# Altium PCB Motor_Driver_3_Phase.PcbDoc (part 1 of 3) (continued)
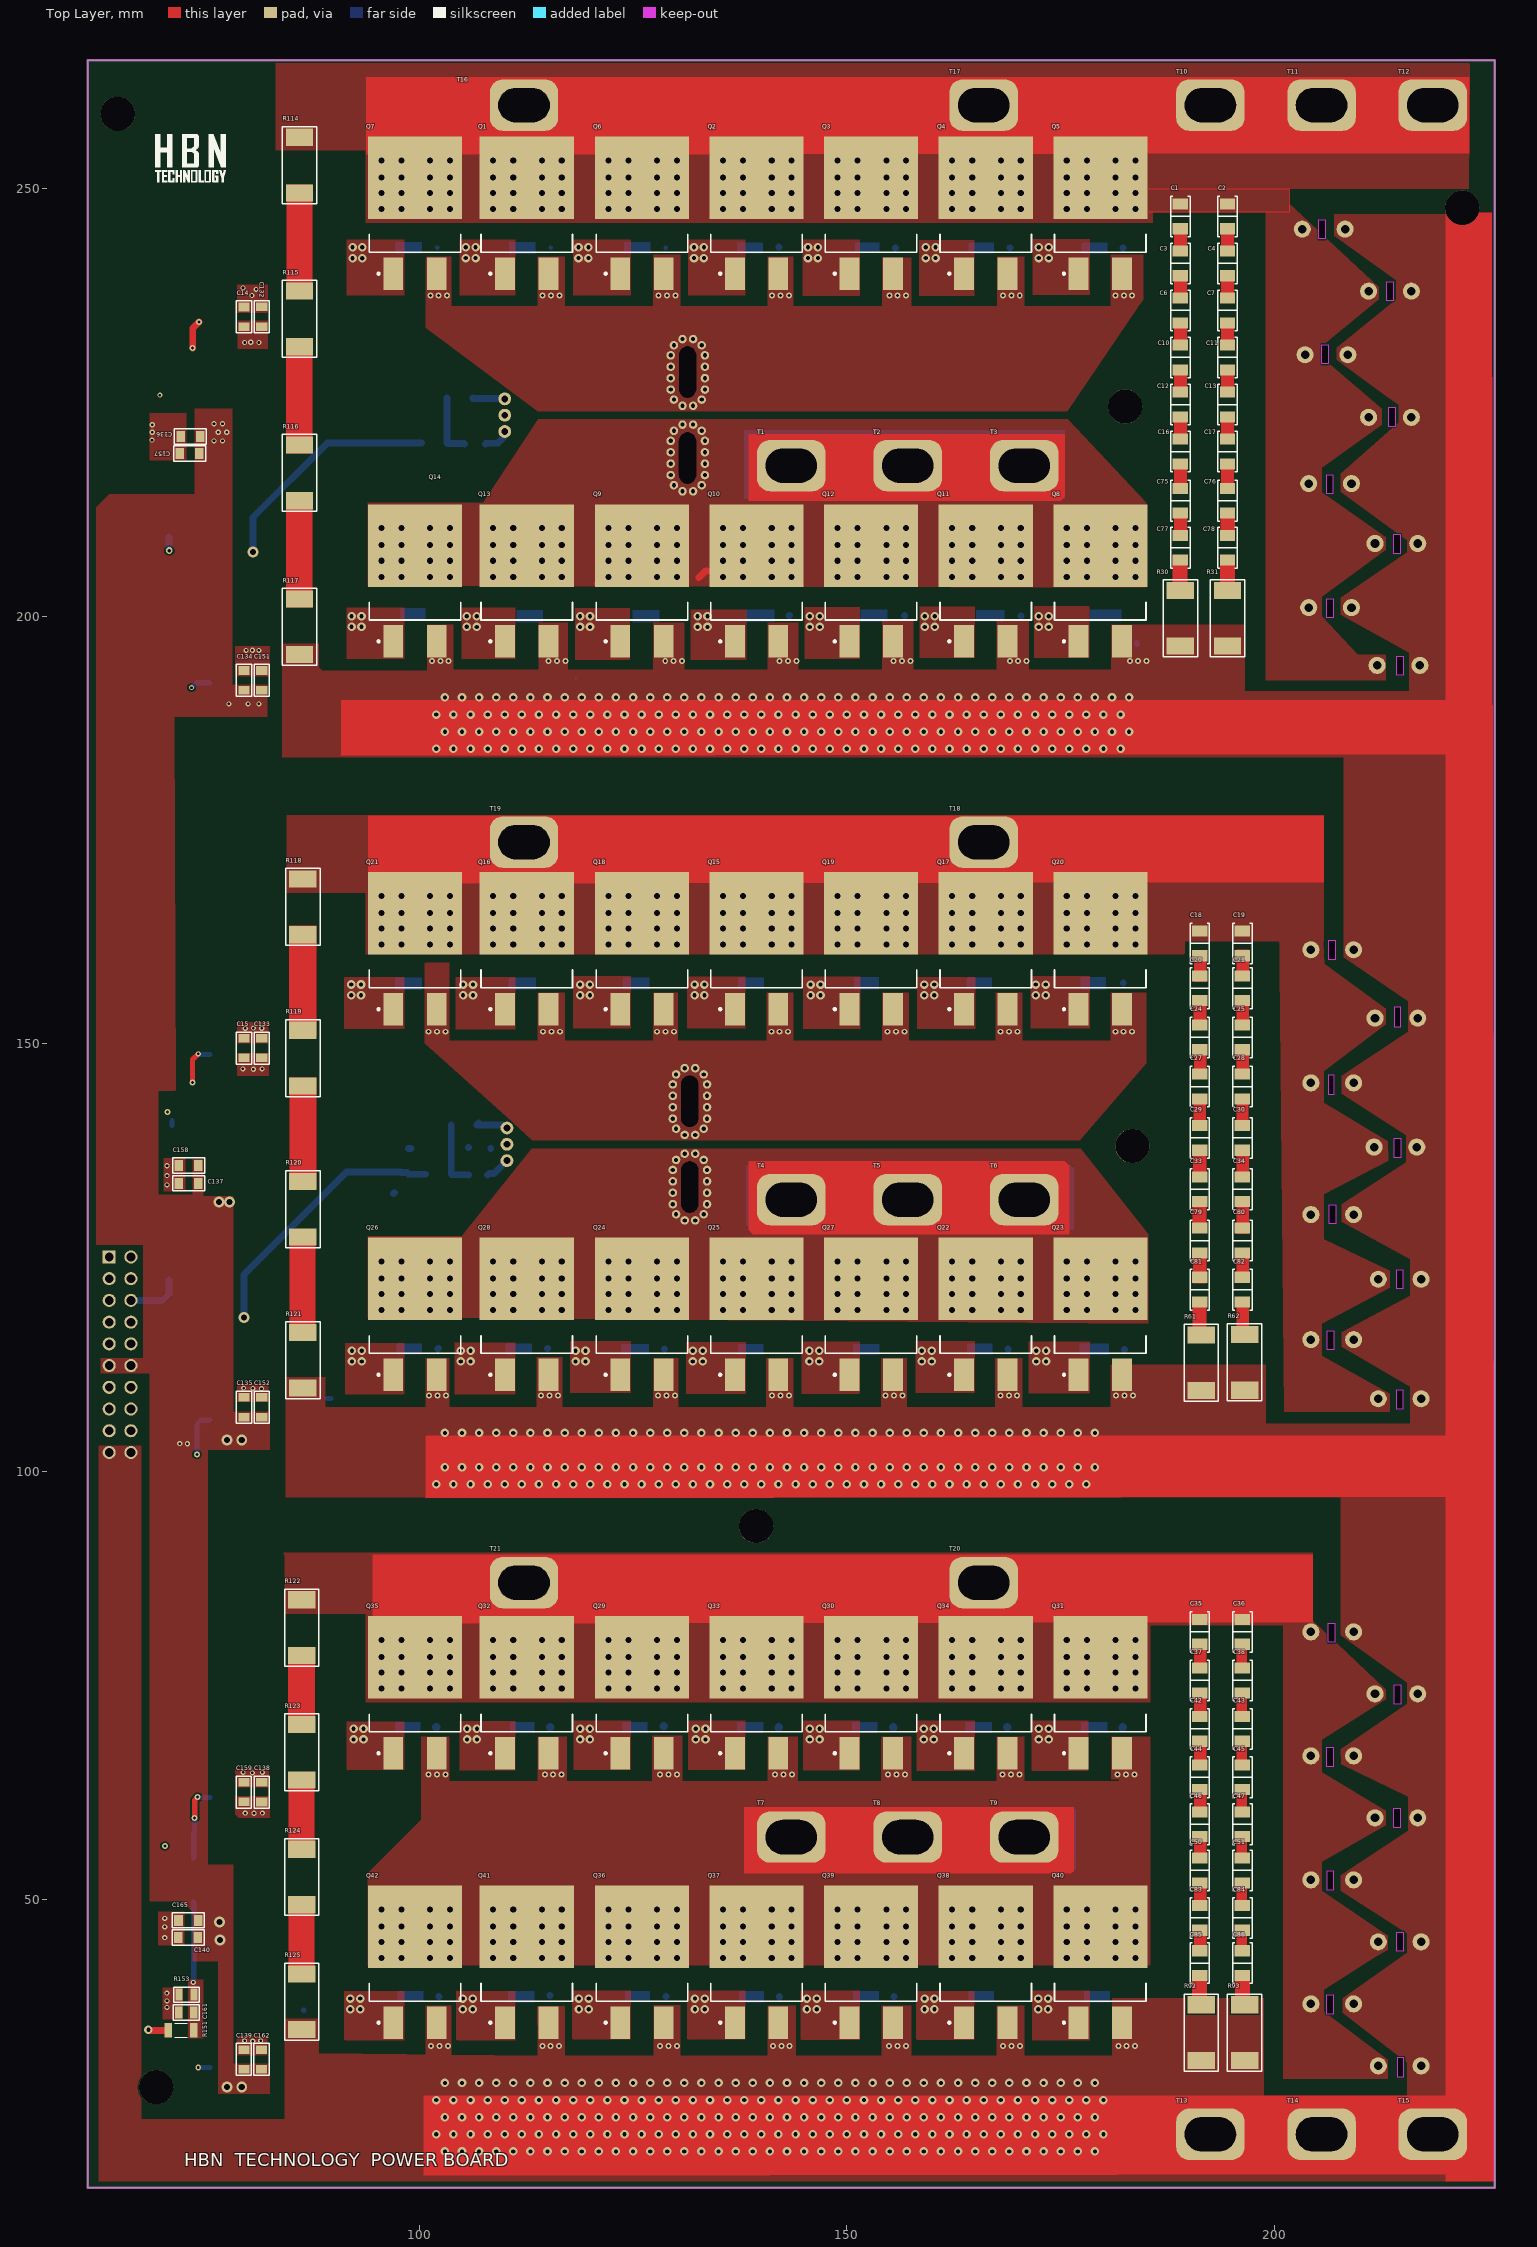
[diagram p0: Top Layer view]
## Design rules (kind name [scope] priority, off if disabled: settings)
Clearance [All] p1: gap=0.2 ignorepadtopadclearanceinfootprint=FALSE except(0: Arc-Hole Track-Hole SMDPad-Hole THPad-Hole Via-Hole Fill-Hole Poly-Hole Region-Hole Text-Hole)
PolygonConnect [All] p1: connectstyle=Direct reliefconductorwidth=0.254 reliefentries=4 polygonreliefangle="90 Angle" airgapwidth=0.254
RoutingVias [All] p1: holewidth=0.711 width=1.27 viastyle="Through Hole" minholewidth=0.711 minwidth=1.27 maxholewidth=0.711 maxwidth=1.27
SolderMaskExpansion [All] p1: expansion=0.102 istentingtop=FALSE
Width [All] p1: maxlimit=10 minlimit=0.2 preferedwidth=0.254 minimp=50.000000 maximp=50.000000 favimp=50.000000
30 further rules are at their usual default settings.

## Classes and differential pairs
component class Parallel_Capacitor: C31 C32 C40 C41 C48 C49 C52 C53 C54 C55 C56 C57 C58 C59 C60 C61 C62 C63 C64 C65 C66 C67 C68 C69
component class Mosfet: C1 C2 C3 C4 C6 C7 C10 C11 C12 C13 C16 C17 C18 C19 C20 C21 C24 C25 C27 C28 C29 C30 C33 C34 C35 C36 C37 C38 C42 C43 C44 C45 C46 C47 C50 C51 C72 C73 C74 C75 C76 C77 C78 C79 C80 C81 C82 C83 C84 C85 C86 C93 C94 C95 C96 C97 C98 C99 C100 C101 C102 C103 C104 C105 C106 C107 C108 C109 C110 C111 C112 C113 C114 C115 C116 C117 C118 C119 C120 C121 C122 C123 C124 C125 C126 C127 C128 C129 C130 C131 D1 D2 D3 D4 D5 D6 D7 D8 D9 D10 D11 D12 D13 D14 D15 D16 D17 D18 D19 D20 D21 D22 D23 D24 D25 D26 D27 D28 D29 D30 D31 D32 D33 D34 D35 D36 D37 D38 D39 D40 D41 D42 Q1 Q2 Q3 Q4 Q5 Q6 Q7 Q8 Q9 Q10 Q11 Q12 Q13 Q14 Q15 Q16 Q17 Q18 Q19 Q20 Q21 Q22 Q23 Q24 Q25 Q26 Q27 Q28 Q29 Q30 Q31 Q32 Q33 Q34 Q35 Q36 Q37 Q38 Q39 Q40 Q41 Q42 R1 R2 R3 R4 R5 R6 R7 R8 R9 R10 R11 R12 R13 R14 R15 R16 R17 R18 R19 R20 R21 R23 R24 R25 R26 R27 R28 R29 R30 R31 R32 R33 R34 R35 R36 R37 R38 R39 R40 R41 R42 R43 R44 R45 R46 R47 R48 R49 R50 R51 R52 R54 R55 R56 R57 R58 R59 R60 R61 R62 R63 R64 R65 R66 R67 R68 R69 R70 R71 R72 R73 R74 R75 R76 R77 R78 R79 R80 R81 R82 R83 R85 R86 R87 R88 R89 R90 R91 R92 R93 R114 R115 R116 R117 R118 R119 R120 R121 R122 R123 R124 R125 R155 R156 R157 R158 R159 R160 R161 R162 R163 R164 R165 R166 R167 R168 R169 R170 R171 R172 R173 R174 R175 R176 R177 R178 R179 R180 R181 R182 R183 R184 R185 R186 R187 R188 R189 R190 R191 R192 R193 R194 R195 R196 T1 T2 T3 T4 T5 T6 T7 T8 T9 T10 T11 T12 T13 T14 T15 T16 T17 T18 T19 T20 T21
component class Gate_Driver: C8 C9 C14 C15 C23 C26 C88 C89 C90 C132 C133 C134 C135 C136 C137 C138 C139 C140 C151 C152 C153 C154 C155 C156 C157 C158 C159 C160 C161 C162 C163 C164 C165 D49 D51 D52 D53 D54 D55 R22 R53 R84 R96 R97 R110 R111 R112 R113 R133 R134 R135 R143 R144 R145 R146 R147 R148 R149 R150 R151 R152 R153 R154 U1 U2 U3 U4 U5 U6 U7 U8 U9
component class Current_Sensor: C70 C71 C141 C142 J2 R94 R95 R126 R127 R128 R129 U10 U11

## Components (designator, comment, footprint, x,y, rotation, side; value= is the part's Value field where it differs from the comment)
C1 "1nF" "CAP 1206_3216 - 1.8MM" 189,246.75 r90 top
C2 "1nF" "CAP 1206_3216 - 1.8MM" 194.5,246.75 r90 top
C3 "1nF" "CAP 1206_3216 - 1.8MM" 189,241.25 r90 top
C4 "1nF" "CAP 1206_3216 - 1.8MM" 194.5,241.25 r90 top
C6 "1nF" "CAP 1206_3216 - 1.8MM" 189,235.75 r90 top
C7 "1nF" "CAP 1206_3216 - 1.8MM" 194.5,235.75 r90 top
C8 "4.7uF" "CAP ALSMD POLY 4.3MM H5.5MM" 69.25,235.5 r90 bottom
C9 "4.7uF" "CAP ALSMD POLY 4.3MM H5.5MM" 69.367,148.75 r90 bottom
C10 "1nF" "CAP 1206_3216 - 1.8MM" 189,230.25 r90 top
C11 "1nF" "CAP 1206_3216 - 1.8MM" 194.5,230.25 r90 top
C12 "1nF" "CAP 1206_3216 - 1.8MM" 189,224.75 r90 top
C13 "1nF" "CAP 1206_3216 - 1.8MM" 194.5,224.75 r90 top
C14 "100nF 50V" C-0805W 79.525,235 r270 top
C15 "100nF 50V" C-0805W 79.525,149.5 r270 top
C16 "1nF" "CAP 1206_3216 - 1.8MM" 189,219.25 r90 top
C17 "1nF" "CAP 1206_3216 - 1.8MM" 194.5,219.25 r90 top
C18 "1nF" "CAP 1206_3216 - 1.8MM" 191.25,161.75 r90 top
C19 "1nF" "CAP 1206_3216 - 1.8MM" 196.25,161.75 r90 top
C20 "1nF" "CAP 1206_3216 - 1.8MM" 191.25,156.5 r90 top
C21 "1nF" "CAP 1206_3216 - 1.8MM" 196.25,156.5 r90 top
C23 "4.7uF" "CAP ALSMD POLY 4.3MM H5.5MM" 69.367,62.5 r90 bottom
C24 "1nF" "CAP 1206_3216 - 1.8MM" 191.25,150.75 r90 top
C25 "1nF" "CAP 1206_3216 - 1.8MM" 196.25,150.75 r90 top
C26 "10UF" C-0805R 72.75,236 r90 bottom
C27 "1nF" "CAP 1206_3216 - 1.8MM" 191.25,145 r90 top
C28 "1nF" "CAP 1206_3216 - 1.8MM" 196.25,145 r90 top
C29 "1nF" "CAP 1206_3216 - 1.8MM" 191.25,139 r90 top
C30 "1nF" "CAP 1206_3216 - 1.8MM" 196.25,139 r90 top
C31 "63v 4700uF" "cap 10*20" 205.75,245.25 r0 bottom
C32 "63v 4700uF" "cap 10*20" 213.5,238 r0 bottom
C33 "1nF" "CAP 1206_3216 - 1.8MM" 191.25,133 r90 top
C34 "1nF" "CAP 1206_3216 - 1.8MM" 196.25,133 r90 top
C35 "1nF" "CAP 1206_3216 - 1.8MM" 191.25,81.25 r90 top
C36 "1nF" "CAP 1206_3216 - 1.8MM" 196.25,81.25 r90 top
C37 "1nF" "CAP 1206_3216 - 1.8MM" 191.25,75.561 r90 top
C38 "1nF" "CAP 1206_3216 - 1.8MM" 196.25,75.561 r90 top
C40 "63v 4700uF" "cap 10*20" 206.074,230.568 r0 bottom
C41 "63v 4700uF" "cap 10*20" 213.5,223.25 r0 bottom
C42 "1nF" "CAP 1206_3216 - 1.8MM" 191.25,69.899 r90 top
C43 "1nF" "CAP 1206_3216 - 1.8MM" 196.25,69.899 r90 top
C44 "1nF" "CAP 1206_3216 - 1.8MM" 191.25,64.243 r90 top
C45 "1nF" "CAP 1206_3216 - 1.8MM" 196.25,64.243 r90 top
C46 "1nF" "CAP 1206_3216 - 1.8MM" 191.25,58.753 r90 top
C47 "1nF" "CAP 1206_3216 - 1.8MM" 196.25,58.753 r90 top
C48 "63v 4700uF" "cap 10*20" 206.5,215.5 r0 bottom
C49 "63v 4700uF" "cap 10*20" 214.25,208.5 r0 bottom
C50 "1nF" "CAP 1206_3216 - 1.8MM" 191.25,53.345 r90 top
C51 "1nF" "CAP 1206_3216 - 1.8MM" 196.25,53.345 r90 top
C52 "63v 4700uF" "cap 10*20" 206.5,201 r0 bottom
C53 "63v 4700uF" "cap 10*20" 214.5,194.25 r0 bottom
C54 "63v 4700uF" "cap 10*20" 206.75,161 r0 bottom
C55 "63v 4700uF" "cap 10*20" 214.25,153 r0 bottom
C56 "63v 4700uF" "cap 10*20" 206.75,145.435 r0 bottom
C57 "63v 4700uF" "cap 10*20" 214.136,137.928 r0 bottom
C58 "63v 4700uF" "cap 10*20" 206.75,130.036 r0 bottom
C59 "63v 4700uF" "cap 10*20" 214.636,122.474 r0 bottom
C60 "63v 4700uF" "cap 10*20" 206.75,115.408 r0 bottom
C61 "63v 4700uF" "cap 10*20" 214.636,108.5 r0 bottom
C62 "63v 4700uF" "cap 10*20" 206.75,81.247 r0 bottom
C63 "63v 4700uF" "cap 10*20" 214.25,74 r0 bottom
C64 "63v 4700uF" "cap 10*20" 206.75,66.747 r0 bottom
C65 "63v 4700uF" "cap 10*20" 214.25,59.503 r0 bottom
C66 "63v 4700uF" "cap 10*20" 206.75,52.247 r0 bottom
C67 "63v 4700uF" "cap 10*20" 214.636,45.003 r0 bottom
C68 "63v 4700uF" "cap 10*20" 206.75,37.747 r0 bottom
C69 "63v 4700uF" "cap 10*20" 214.636,30.5 r0 bottom
C70 "uF" C-1206 105.275,221.75 r270 bottom
C71 "uF" C-1206 105.75,136.25 r270 bottom
C72 "100nF" C-0805W 100.972,243.08 r180 bottom
C73 "100nF" C-0805W 114.222,243.08 r180 bottom
C74 "100nF" C-0805W 127.636,243.055 r180 bottom
C75 "1nF" "CAP 1206_3216 - 1.8MM" 189,213.5 r90 top
C76 "1nF" "CAP 1206_3216 - 1.8MM" 194.5,213.5 r90 top
C77 "1nF" "CAP 1206_3216 - 1.8MM" 189,208 r90 top
C78 "1nF" "CAP 1206_3216 - 1.8MM" 194.5,208 r90 top
C79 "1nF" "CAP 1206_3216 - 1.8MM" 191.25,127 r90 top
C80 "1nF" "CAP 1206_3216 - 1.8MM" 196.25,127 r90 top
C81 "1nF" "CAP 1206_3216 - 1.8MM" 191.25,121.25 r90 top
C82 "1nF" "CAP 1206_3216 - 1.8MM" 196.25,121.25 r90 top
C83 "1nF" "CAP 1206_3216 - 1.8MM" 191.25,47.803 r90 top
C84 "1nF" "CAP 1206_3216 - 1.8MM" 196.25,47.803 r90 top
C85 "1nF" "CAP 1206_3216 - 1.8MM" 191.25,42.511 r90 top
C86 "1nF" "CAP 1206_3216 - 1.8MM" 196.25,42.511 r90 top
C88 "10uF" C-0805R 72.75,148.75 r90 bottom
C89 "100pF" C-0805R 72.875,124.332 r0 bottom
C90 "100pF" C-0805R 72.811,211.654 r0 bottom
C93 "100nF" C-0805W 140.876,243.055 r180 bottom
C94 "100nF" C-0805W 154.501,243.055 r180 bottom
C95 "100nF" C-0805W 167.903,243.055 r180 bottom
C96 "100nF" C-0805W 181.139,243.055 r180 bottom
C97 "100nF" C-0805W 128.65,200 r180 bottom
C98 "100nF" C-0805W 142.103,200.057 r180 bottom
C99 "100nF" C-0805W 168.946,200.032 r180 bottom
C100 "100nF" C-0805W 182.741,200.032 r180 bottom
C101 "100nF" C-0805W 101.25,200.25 r180 bottom
C102 "100nF" C-0805W 115,200 r180 bottom
C103 "100nF" C-0805W 155.35,200.057 r180 bottom
C104 "100nF" C-0805W 114.198,157.057 r180 bottom
C105 "100nF" C-0805W 127.522,157.082 r180 bottom
C106 "100nF" C-0805W 140.905,157.107 r180 bottom
C107 "100nF" C-0805W 154.355,157.107 r180 bottom
C108 "100nF" C-0805W 167.601,157.107 r180 bottom
C109 "100nF" C-0805W 180.907,157.107 r180 bottom
C110 "100nF" C-0805W 100.932,157.057 r180 bottom
C111 "100nF" C-0805W 127.541,114.314 r180 bottom
C112 "100nF" C-0805W 140.854,114.314 r180 bottom
C113 "100nF" C-0805W 167.679,114.314 r180 bottom
C114 "100nF" C-0805W 181.293,114.314 r180 bottom
C115 "100nF" C-0805W 101.02,114.314 r180 bottom
C116 "100nF" C-0805W 113.859,114.314 r180 bottom
C117 "100nF" C-0805W 154.427,114.314 r180 bottom
C118 "100nF" C-0805W 114.186,70.1 r180 bottom
C119 "100nF" C-0805W 127.422,70.1 r180 bottom
C120 "100nF" C-0805W 140.892,70.1 r180 bottom
C121 "100nF" C-0805W 154.257,70.1 r180 bottom
C122 "100nF" C-0805W 167.625,70.1 r180 bottom
C123 "100nF" C-0805W 181.103,70.1 r180 bottom
C124 "100nF" C-0805W 100.862,70.1 r180 bottom
C125 "100nF" C-0805W 127.716,38.627 r180 bottom
C126 "100nF" C-0805W 140.948,38.627 r180 bottom
C127 "100nF" C-0805W 167.908,38.602 r180 bottom
C128 "100nF" C-0805W 181.393,38.602 r180 bottom
C129 "100nF" C-0805W 101.125,38.627 r180 bottom
C130 "100nF" C-0805W 114.108,38.627 r180 bottom
C131 "100nF" C-0805W 154.367,38.627 r180 bottom
C132 "100nF 50V" C-0805W 81.585,235.006 r270 top
C133 "100nF 50V" C-0805W 81.585,149.5 r270 top
C134 "100nF 50V" C-0805W 79.525,192.5 r270 top
C135 "100nF 50V" C-0805W 79.525,107.5 r270 top
C136 "100nF 50V" C-0805W 73.25,221 r180 top
C137 "100nF 50V" C-0805W 73.029,133.678 r180 top
C138 "100nF 50V" C-0805W 81.585,62.5 r270 top
C139 "100nF 50V" C-0805W 79.5,31.25 r270 top
C140 "100nF 50V" C-0805W 72.978,45.496 r180 top
C141 "uF" C-1206 107.75,221.75 r90 bottom
C142 "uF" C-1206 108,136.25 r90 bottom
C151 "100nF 50V" C-0805W 81.585,192.5 r270 top
C152 "100nF 50V" C-0805W 81.585,107.5 r270 top
C153 "10uF" C-0805R 70.819,128.916 r180 bottom
C154 "10uF" C-0805R 70.25,216.25 r180 bottom
C155 "100nF 50V" C-0805W 72.5,193.75 r270 bottom
C156 "100nF 50V" C-0805W 72.5,105.5 r270 bottom
C157 "100nF 50V" C-0805W 73.15,219 r180 top
C158 "100nF 50V" C-0805W 73.029,135.765 r180 top
C159 "100nF 50V" C-0805W 79.5,62.508 r270 top
C160 "10uF" C-0805R 72.75,61.75 r90 bottom
C161 "100pF" C-0805R 72.75,36.75 r0 top
C162 "100nF 50V" C-0805W 81.56,31.257 r270 top
C163 "10uF" C-0805R 71.502,40.934 r180 bottom
C164 "100nF 50V" C-0805W 72.5,30.122 r270 bottom
C165 "100nF 50V" C-0805W 73,47.5 r180 top
D1 "1N4148 Diyot" SOD-123 97.5,237 r270 bottom
D2 "1N4148 Diyot" SOD-123 110.75,237 r270 bottom
D3 "1N4148 Diyot" SOD-123 124,237 r270 bottom
D4 "1N4148 Diyot" SOD-123 137.5,237 r270 bottom
D5 "1N4148 Diyot" SOD-123 150.75,237 r270 bottom
D6 "1N4148 Diyot" SOD-123 164.5,237 r270 bottom
D7 "1N4148 Diyot" SOD-123 177.634,237 r270 bottom
D8 "1N4148 Diyot" SOD-123 124.164,194.75 r270 bottom
D9 "1N4148 Diyot" SOD-123 137.75,194.75 r270 bottom
D10 "1N4148 Diyot" SOD-123 97.5,194.75 r270 bottom
D11 "1N4148 Diyot" SOD-123 110.863,194.75 r270 bottom
D12 "1N4148 Diyot" SOD-123 151.062,194.75 r270 bottom
D13 "1N4148 Diyot" SOD-123 164.5,194.75 r270 bottom
D14 "1N4148 Diyot" SOD-123 177.75,194.75 r270 bottom
D15 "1N4148 Diyot" SOD-123 97.25,151.391 r270 bottom
D16 "1N4148 Diyot" SOD-123 110.424,151.391 r270 bottom
D17 "1N4148 Diyot" SOD-123 124,151.391 r270 bottom
D18 "1N4148 Diyot" SOD-123 137.407,151.391 r270 bottom
D19 "1N4148 Diyot" SOD-123 151.021,151.391 r270 bottom
D20 "1N4148 Diyot" SOD-123 164.344,151.391 r270 bottom
D21 "1N4148 Diyot" SOD-123 177.552,151.391 r270 bottom
D22 "1N4148 Diyot" SOD-123 123.693,108.438 r270 bottom
D23 "1N4148 Diyot" SOD-123 137.305,108.438 r270 bottom
D24 "1N4148 Diyot" SOD-123 97.509,108.577 r270 bottom
D25 "1N4148 Diyot" SOD-123 110.229,108.327 r270 bottom
D26 "1N4148 Diyot" SOD-123 151,108.438 r270 bottom
D27 "1N4148 Diyot" SOD-123 164.261,108.438 r270 bottom
D28 "1N4148 Diyot" SOD-123 177.591,108.438 r270 bottom
D29 "1N4148 Diyot" SOD-123 97.713,64.337 r270 bottom
D30 "1N4148 Diyot" SOD-123 110.96,64.337 r270 bottom
D31 "1N4148 Diyot" SOD-123 124.227,64.337 r270 bottom
D32 "1N4148 Diyot" SOD-123 137.714,64.337 r270 bottom
D33 "1N4148 Diyot" SOD-123 151.284,64.337 r270 bottom
D34 "1N4148 Diyot" SOD-123 164.441,64.337 r270 bottom
D35 "1N4148 Diyot" SOD-123 177.765,64.337 r270 bottom
D36 "1N4148 Diyot" SOD-123 124,32.794 r270 bottom
D37 "1N4148 Diyot" SOD-123 137.67,32.794 r270 bottom
D38 "1N4148 Diyot" SOD-123 97.458,32.794 r270 bottom
D39 "1N4148 Diyot" SOD-123 110.545,32.794 r270 bottom
D40 "1N4148 Diyot" SOD-123 150.779,32.794 r270 bottom
D41 "1N4148 Diyot" SOD-123 164.505,32.794 r270 bottom
D42 "1N4148 Diyot" SOD-123 177.857,32.794 r270 bottom
D49 "SM15T12CAY" DIOM7959X262N 85.725,238.764 r270 bottom
D51 "SM15T12CAY" DIOM7959X262N 85.725,196.496 r270 bottom
D52 "SM15T12CAY" DIOM7959X262N 85.276,152.727 r270 bottom
D53 "SM15T12CAY" DIOM7959X262N 85.276,110 r270 bottom
D54 "SM15T12CAY" DIOM7959X262N 85.276,65.652 r270 bottom
D55 "SM15T12CAY" DIOM7959X262N 85.276,34.351 r270 bottom
J2 "20 pos. conn." SAMTEC_SSQ-110-X-X-D 65.02,113.65 r90 bottom
Q1 "TO-263" DPAK_TO263 112.568,246.25 r90 top
Q2 "TO-263" DPAK_TO263 139.44,246.25 r90 top
Q3 "TO-263" DPAK_TO263 152.837,246.25 r90 top
Q4 "TO-263" DPAK_TO263 166.234,246.25 r90 top
Q5 "TO-263" DPAK_TO263 179.631,246.25 r90 top
Q6 "TO-263" DPAK_TO263 126.044,246.25 r90 top
Q7 "TO-263" DPAK_TO263 99.5,246.25 r90 top
Q8 "TO-263" DPAK_TO263 179.631,203.254 r90 top
Q9 "TO-263" DPAK_TO263 126.044,203.254 r90 top
Q10 "TO-263" DPAK_TO263 139.44,203.254 r90 top
Q11 "TO-263" DPAK_TO263 166.234,203.254 r90 top
Q12 "TO-263" DPAK_TO263 152.837,203.254 r90 top
Q13 "TO-263" DPAK_TO263 112.568,203.254 r90 top
Q14 "TO-263" DPAK_TO263 99.5,203.254 r90 top
Q15 "TO-263" DPAK_TO263 139.44,160.25 r90 top
Q16 "TO-263" DPAK_TO263 112.568,160.25 r90 top
Q17 "TO-263" DPAK_TO263 166.234,160.25 r90 top
Q18 "TO-263" DPAK_TO263 126.044,160.25 r90 top
Q19 "TO-263" DPAK_TO263 152.837,160.25 r90 top
Q20 "TO-263" DPAK_TO263 179.631,160.25 r90 top
Q21 "TO-263" DPAK_TO263 99.5,160.25 r90 top
Q22 "TO-263" DPAK_TO263 166.234,117.504 r90 top
Q23 "TO-263" DPAK_TO263 179.631,117.504 r90 top
Q24 "TO-263" DPAK_TO263 126.044,117.504 r90 top
Q25 "TO-263" DPAK_TO263 139.44,117.504 r90 top
Q26 "TO-263" DPAK_TO263 99.5,117.504 r90 top
Q27 "TO-263" DPAK_TO263 152.837,117.504 r90 top
Q28 "TO-263" DPAK_TO263 112.568,117.504 r90 top
Q29 "TO-263" DPAK_TO263 126.044,73.25 r90 top
Q30 "TO-263" DPAK_TO263 152.837,73.25 r90 top
Q31 "TO-263" DPAK_TO263 179.631,73.25 r90 top
Q32 "TO-263" DPAK_TO263 112.568,73.25 r90 top
Q33 "TO-263" DPAK_TO263 139.44,73.25 r90 top
Q34 "TO-263" DPAK_TO263 166.234,73.25 r90 top
Q35 "TO-263" DPAK_TO263 99.5,73.25 r90 top
Q36 "TO-263" DPAK_TO263 126.044,41.754 r90 top
Q37 "TO-263" DPAK_TO263 139.44,41.754 r90 top
Q38 "TO-263" DPAK_TO263 166.234,41.754 r90 top
Q39 "TO-263" DPAK_TO263 152.837,41.754 r90 top
Q40 "TO-263" DPAK_TO263 179.631,41.754 r90 top
Q41 "TO-263" DPAK_TO263 112.568,41.754 r90 top
Q42 "TO-263" DPAK_TO263 99.5,41.754 r90 top
R1 "22Ω" R-1206W 92.73,236.996 r90 bottom
R2 "22Ω" R-1206W 106.023,237.114 r90 bottom
R3 "RES SMD 10K OHM 1% 1/8W 0805" R-0805W 109.959,243.08 r180 bottom
R4 "22Ω" R-1206W 119.25,237.114 r90 bottom
R5 "RES SMD 10K OHM 1% 1/8W 0805" R-0805W 123.304,243.055 r180 bottom
R6 "22Ω" R-1206W 132.75,237.114 r90 bottom
R7 "RES SMD 10K OHM 1% 1/8W 0805" R-0805W 136.552,243.055 r180 bottom
R8 "22Ω" R-1206W 146.098,237.114 r90 bottom
R9 "RES SMD 10K OHM 1% 1/8W 0805" R-0805W 150.212,243.055 r180 bottom
R10 "22Ω" R-1206W 159.651,237.114 r90 bottom
R11 "RES SMD 10K OHM 1% 1/8W 0805" R-0805W 163.527,243.055 r180 bottom
R12 "22Ω" R-1206W 172.89,237.114 r90 bottom
R13 "RES SMD 10K OHM 1% 1/8W 0805" R-0805W 176.791,243.084 r180 bottom
R14 "RES SMD 10K OHM 1% 1/8W 0805" R-0805W 96.674,243.08 r180 bottom
R15 "22Ω" R-1206W 92.73,194.5 r90 bottom
R16 "22Ω" R-1206W 133,194.5 r90 bottom
R17 "22Ω" R-1206W 106.25,194.5 r90 bottom
R18 "22Ω" R-1206W 119.5,194.5 r90 bottom
R19 "22Ω" R-1206W 146.37,194.5 r90 bottom
R20 "22Ω" R-1206W 159.724,194.5 r90 bottom
R21 "22Ω" R-1206W 173.155,194.5 r90 bottom
R22 "12KΩ" R-1206W 70.5,218.5 r0 bottom
R23 "RES SMD 10K OHM 1% 1/8W 0805" R-0805W 124.351,200 r180 bottom
R24 "RES SMD 10K OHM 1% 1/8W 0805" R-0805W 137.624,200.057 r180 bottom
R25 "RES SMD 10K OHM 1% 1/8W 0805" R-0805W 164.498,200.032 r180 bottom
R26 "RES SMD 10K OHM 1% 1/8W 0805" R-0805W 177.777,200.074 r180 bottom
R27 "RES SMD 10K OHM 1% 1/8W 0805" R-0805W 97.25,200.25 r180 bottom
R28 "RES SMD 10K OHM 1% 1/8W 0805" R-0805W 110.75,200 r180 bottom
R29 "RES SMD 10K OHM 1% 1/8W 0805" R-0805W 150.971,200.057 r180 bottom
R30 "1" R-2512W 189,199.75 r90 top
R31 "1" R-2512W 194.5,199.75 r90 top
R32 "22Ω" R-1206W 92.48,151.25 r90 bottom
R33 "22Ω" R-1206W 105.5,151.25 r90 bottom
R34 "RES SMD 10K OHM 1% 1/8W 0805" R-0805W 109.8,157.057 r180 bottom
R35 "22Ω" R-1206W 119.204,151.25 r90 bottom
R36 "RES SMD 10K OHM 1% 1/8W 0805" R-0805W 123.241,157.057 r180 bottom
R37 "22Ω" R-1206W 132.547,151.096 r90 bottom
R38 "RES SMD 10K OHM 1% 1/8W 0805" R-0805W 136.644,157.082 r180 bottom
R39 "22Ω" R-1206W 146.163,151.096 r90 bottom
R40 "RES SMD 10K OHM 1% 1/8W 0805" R-0805W 150.294,157.082 r180 bottom
R41 "22Ω" R-1206W 159.413,151.096 r90 bottom
R42 "RES SMD 10K OHM 1% 1/8W 0805" R-0805W 163.384,157.082 r180 bottom
R43 "22Ω" R-1206W 172.745,151.096 r90 bottom
R44 "RES SMD 10K OHM 1% 1/8W 0805" R-0805W 176.739,157.082 r180 bottom
R45 "RES SMD 10K OHM 1% 1/8W 0805" R-0805W 96.637,157.057 r180 bottom
R46 "22Ω" R-1206W 92.572,108.436 r90 bottom
R47 "22Ω" R-1206W 118.977,108.436 r90 bottom
R48 "22Ω" R-1206W 132.539,108.436 r90 bottom
R49 "22Ω" R-1206W 105.32,108.436 r90 bottom
R50 "22Ω" R-1206W 146.065,108.436 r90 bottom
R51 "22Ω" R-1206W 159.258,108.436 r90 bottom
R52 "22Ω" R-1206W 172.518,108.436 r90 bottom
R53 "12KΩ" R-1206W 70.5,131.139 r0 bottom
R54 "RES SMD 10K OHM 1% 1/8W 0805" R-0805W 123.002,114.289 r180 bottom
R55 "RES SMD 10K OHM 1% 1/8W 0805" R-0805W 136.577,114.289 r180 bottom
R56 "RES SMD 10K OHM 1% 1/8W 0805" R-0805W 163.385,114.314 r180 bottom
R57 "RES SMD 10K OHM 1% 1/8W 0805" R-0805W 176.56,114.314 r180 bottom
R58 "RES SMD 10K OHM 1% 1/8W 0805" R-0805W 96.72,114.314 r180 bottom
R59 "RES SMD 10K OHM 1% 1/8W 0805" R-0805W 109.5,114.314 r180 bottom
R60 "RES SMD 10K OHM 1% 1/8W 0805" R-0805W 150.093,114.289 r180 bottom
R61 "1" R-2512W 191.419,112.719 r90 top
R62 "1" R-2512W 196.5,112.75 r90 top
R63 "22Ω" R-1206W 92.572,64.298 r90 bottom
R64 "22Ω" R-1206W 105.979,64.298 r90 bottom
R65 "RES SMD 10K OHM 1% 1/8W 0805" R-0805W 109.913,70.075 r180 bottom
R66 "22Ω" R-1206W 119.377,64.298 r90 bottom
R67 "RES SMD 10K OHM 1% 1/8W 0805" R-0805W 123.124,70.075 r180 bottom
R68 "22Ω" R-1206W 132.694,64.298 r90 bottom
R69 "RES SMD 10K OHM 1% 1/8W 0805" R-0805W 136.542,70.075 r180 bottom
R70 "22Ω" R-1206W 146.13,64.298 r90 bottom
R71 "RES SMD 10K OHM 1% 1/8W 0805" R-0805W 149.956,70.075 r180 bottom
R72 "22Ω" R-1206W 159.45,64.298 r90 bottom
R73 "RES SMD 10K OHM 1% 1/8W 0805" R-0805W 163.227,70.075 r180 bottom
R74 "22Ω" R-1206W 172.958,64.298 r90 bottom
R75 "RES SMD 10K OHM 1% 1/8W 0805" R-0805W 176.744,70.075 r180 bottom
R76 "RES SMD 10K OHM 1% 1/8W 0805" R-0805W 96.44,70.075 r180 bottom
R77 "22Ω" R-1206W 92.54,32.653 r90 bottom
R78 "22Ω" R-1206W 119.134,32.653 r90 bottom
R79 "22Ω" R-1206W 132.562,32.653 r90 bottom
R80 "22Ω" R-1206W 105.615,32.653 r90 bottom
R81 "22Ω" R-1206W 145.929,32.653 r90 bottom
R82 "22Ω" R-1206W 159.491,32.653 r90 bottom
R83 "22Ω" R-1206W 172.967,32.653 r90 bottom
R84 "12KΩ" R-1206W 70.541,43.235 r0 bottom
R85 "RES SMD 10K OHM 1% 1/8W 0805" R-0805W 123.423,38.602 r180 bottom
R86 "RES SMD 10K OHM 1% 1/8W 0805" R-0805W 136.765,38.602 r180 bottom
R87 "RES SMD 10K OHM 1% 1/8W 0805" R-0805W 163.586,38.602 r180 bottom
R88 "RES SMD 10K OHM 1% 1/8W 0805" R-0805W 177.169,38.602 r180 bottom
R89 "RES SMD 10K OHM 1% 1/8W 0805" R-0805W 96.883,38.602 r180 bottom
R90 "RES SMD 10K OHM 1% 1/8W 0805" R-0805W 109.796,38.602 r180 bottom
R91 "RES SMD 10K OHM 1% 1/8W 0805" R-0805W 150.085,38.602 r180 bottom
R92 "1" R-2512W 191.419,34.393 r90 top
R93 "1" R-2512W 196.5,34.393 r90 top
R94 "10K" R-1206 104.75,225.5 r180 bottom
R95 "10K" R-1206 105.25,140.5 r180 bottom
R96 "47KΩ" RESC3015X65N 89.754,237.11 r270 bottom
R97 "47KΩ" RESC3015X65N 89.617,150.693 r270 bottom
R110 "47KΩ" RESC3015X65N 89.754,194.09 r270 bottom
R111 "47KΩ" RESC3015X65N 89.617,107.8 r270 bottom
R112 "47KΩ" RESC3015X65N 89.617,63.733 r270 bottom
R113 "47KΩ" RESC3015X65N 89.617,32.093 r270 bottom
R114 "1" R-2512W 86,252.75 r90 top
R115 "1" R-2512W 86,234.75 r90 top
R116 "1" R-2512W 86,216.75 r90 top
R117 "1" R-2512W 86,198.75 r90 top
R118 "1" R-2512W 86.399,166 r90 top
R119 "1" R-2512W 86.399,148.333 r90 top
R120 "1" R-2512W 86.399,130.667 r90 top
R121 "1" R-2512W 86.399,113 r90 top
R122 "1" R-2512W 86.25,81.75 r90 top
R123 "1" R-2512W 86.25,67.167 r90 top
R124 "1" R-2512W 86.25,52.583 r90 top
R125 "1" R-2512W 86.25,38 r90 top
R126 "10K" R-1206 101.75,220.25 r180 bottom
R127 "10K" R-1206 98,221.75 r90 bottom
R128 "10K" R-1206 102.25,134.75 r180 bottom
R129 "10K" R-1206 98.75,136.25 r90 bottom
R133 "5Ω" R-1206W 90.711,245.369 r0 bottom
R134 "5Ω" R-1206W 91.5,159.25 r0 bottom
R135 "5Ω" R-1206W 91.345,72.025 r0 bottom
R143 "47KΩ" RESC3015X65N 72.25,122.39 r180 bottom
R144 "47KΩ" RESC3015X65N 72,229.75 r0 bottom
R145 "47KΩ" RESC3015X65N 72.017,144.02 r0 bottom
R146 "47KΩ" RESC3015X65N 72.25,209.25 r180 bottom
R147 "100KΩ" R-0805R 72.875,126.25 r0 bottom
R148 "100KΩ" R-0805R 72.875,213.75 r0 bottom
R149 "47KΩ" RESC3015X65N 67.597,227.434 r0 bottom
R150 "47KΩ" RESC3015X65N 67.597,141.436 r0 bottom
R151 "47KΩ" RESC3015X65N 72.127,34.651 r180 top
R152 "47KΩ" RESC3015X65N 72.237,57.842 r0 bottom
R153 "100KΩ" R-0805R 72.791,38.818 r0 top
R154 "47KΩ" RESC3015X65N 68.25,55 r0 bottom
R155 "11Ω" R-1206W 108.5,239.486 r90 bottom
R156 "11Ω" R-1206W 121.75,239.486 r90 bottom
R157 "11Ω" R-1206W 135.25,239.486 r90 bottom
R158 "11Ω" R-1206W 148.519,239.486 r90 bottom
R159 "11Ω" R-1206W 162.269,239.486 r90 bottom
R160 "11Ω" R-1206W 175.382,239.486 r90 bottom
R161 "11Ω" R-1206W 95.293,239.486 r90 bottom
R162 "11Ω" R-1206W 148.883,196.5 r90 bottom
R163 "11Ω" R-1206W 108.655,196.5 r90 bottom
R164 "11Ω" R-1206W 121.897,196.5 r90 bottom
R165 "11Ω" R-1206W 135.5,196.5 r90 bottom
R166 "11Ω" R-1206W 162.25,196.5 r90 bottom
R167 "11Ω" R-1206W 175.55,196.5 r90 bottom
R168 "11Ω" R-1206W 95.25,196.5 r90 bottom
R169 "11Ω" R-1206W 108.181,153.294 r90 bottom
R170 "11Ω" R-1206W 121.738,153.294 r90 bottom
R171 "11Ω" R-1206W 135.143,153.294 r90 bottom
R172 "11Ω" R-1206W 148.75,153.294 r90 bottom
R173 "11Ω" R-1206W 162,153.294 r90 bottom
R174 "11Ω" R-1206W 175.236,153.294 r90 bottom
R175 "11Ω" R-1206W 94.94,153.294 r90 bottom
R176 "11Ω" R-1206W 107.944,110.346 r90 bottom
R177 "11Ω" R-1206W 161.967,110.346 r270 bottom
R178 "11Ω" R-1206W 175.317,110.346 r270 bottom
R179 "11Ω" R-1206W 121.472,110.346 r270 bottom
R180 "11Ω" R-1206W 135.046,110.346 r270 bottom
R181 "11Ω" R-1206W 148.75,110.346 r270 bottom
R182 "11Ω" R-1206W 95.229,110.346 r270 bottom
R183 "11Ω" R-1206W 108.655,66.447 r90 bottom
R184 "11Ω" R-1206W 121.915,66.447 r90 bottom
R185 "11Ω" R-1206W 135.403,66.447 r90 bottom
R186 "11Ω" R-1206W 149,66.447 r90 bottom
R187 "11Ω" R-1206W 162.165,66.447 r90 bottom
R188 "11Ω" R-1206W 175.516,66.447 r90 bottom
R189 "11Ω" R-1206W 95.461,66.447 r90 bottom
R190 "11Ω" R-1206W 148.559,34.809 r270 bottom
R191 "11Ω" R-1206W 108.227,34.809 r270 bottom
R192 "11Ω" R-1206W 121.75,34.809 r270 bottom
R193 "11Ω" R-1206W 135.367,34.809 r270 bottom
R194 "11Ω" R-1206W 162.281,34.809 r270 bottom
R195 "11Ω" R-1206W 175.605,34.809 r270 bottom
R196 "11Ω" R-1206W 95.185,34.809 r270 bottom
T1 "TCon" connectorout 143.5,217.598 r0 top
T2 "TCon" connectorout 157.125,217.598 r0 top
T3 "TCon" connectorout 170.75,217.598 r0 top
T4 "TCon" connectorout 143.5,131.78 r0 top
T5 "TCon" connectorout 157.125,131.78 r0 top
T6 "TCon" connectorout 170.75,131.78 r0 top
T7 "TCon" connectorout 143.5,57.25 r0 top
T8 "TCon" connectorout 157.125,57.25 r0 top
T9 "TCon" connectorout 170.75,57.25 r0 top
T10 "TCon" connectorout 192.5,259.75 r0 top
T11 "TCon" connectorout 205.5,259.75 r0 top
T12 "TCon" connectorout 218.5,259.75 r0 top
T13 "TCon" connectorout 192.5,22.5 r0 top
T14 "TCon" connectorout 205.5,22.5 r0 top
T15 "TCon" connectorout 218.5,22.5 r0 top
T16 "TCon" connectorout 112.25,259.75 r0 top
T17 "TCon" connectorout 166,259.75 r0 top
T18 "TCon" connectorout 166,173.577 r0 top
T19 "TCon" connectorout 112.25,173.577 r0 top
T20 "TCon" connectorout 166,87 r0 top
T21 "TCon" connectorout 112.25,87 r0 top
U1 "IXDD614 PI / SI" SOIC8-IXD_614 78.25,235 r0 bottom
U2 "IXDD614 PI / SI" SOIC8-IXD_614 78.25,149.379 r0 bottom
U3 "2ED21091S06F" SOIC127P600X172-8N-1-V 73,224.5 r90 bottom
U4 "2ED21091S06F" SOIC127P600X172-8N-1-V 73,138.25 r90 bottom
U5 "IXDD614 PI / SI" SOIC8-IXD_614 78.25,192.856 r0 bottom
U6 "IXDD614 PI / SI" SOIC8-IXD_614 78.25,106.622 r0 bottom
U7 "IXDD614 PI / SI" SOIC8-IXD_614 78.25,62.501 r0 bottom
U8 "2ED21091S06F" SOIC127P600X172-8N-1-V 73,52 r90 bottom
U9 "IXDD614 PI / SI" SOIC8-IXD_614 78.25,30.927 r0 bottom
U10 "ACS758ECB-200B-PFF-T" ACS756SCA-050B-PFF-T_2 125.9,218.5 r90 bottom
U11 "ACS758ECB-200B-PFF-T" ACS756SCA-050B-PFF-T_2 126.15,133.25 r90 bottom

## Footprints (in the part's own frame and the unit in brackets; to place one, negate y for a bottom-side part, rotate by r counter-clockwise, add the part's x,y. Pads: shape width x height; smd on the part's side, far side on the other; paste and mask are expansions set on the pad)
ACS756SCA-050B-PFF-T_2 [mm]
  round 1.5 hole 0.8: 1(3.09,-15.9) 2(5,-15.9) 3(6.91,-15.9)
  round 1 hole 0.5: 4(6.098,4.882) 4(6.098,6.118) 4(6.824,3.882) 4(6.824,7.118) 4(8,3.5) 4(8,7.5) 4(9.333,3.5) 4(9.333,7.5) 4(10.667,3.5) 4(10.667,7.5) 4(12,3.5) 4(12,7.5) 4(13.176,3.882) 4(13.176,7.118) 4(13.902,4.882) 4(13.902,6.118) 5(-3.902,4.882) 5(-3.902,6.118) 5(-3.176,3.882) 5(-3.176,7.118) 5(-2,3.5) 5(-2,7.5) 5(-0.667,3.5) 5(-0.667,7.5) 5(0.667,3.5) 5(0.667,7.5) 5(2,3.5) 5(2,7.5) 5(3.176,3.882) 5(3.176,7.118) 5(3.902,4.882) 5(3.902,6.118)
  silkscreen extent -3,-15.94 13.01,6.5
C-0805R [mm] "capacitor 0805 reflow soldering"
  rect 0.85x1.4 smd: 1(-0.875,0) 2(0.875,0)
  silkscreen extent -1.5,-0.9 1.5,0.9, body extent -1,-0.63 1,0.63, height 0.78
C-0805W [mm] "capacitor 0805 wave soldering"
  rect 1x1.3 smd: 1(-1.15,0) 2(1.15,0)
  silkscreen extent -1.88,-0.9 1.88,0.87, body extent -1,-0.62 1,0.63, height 0.78
C-1206 [mm]
  rect 1.2x1.7 smd: 1(-1.6,0) 2(1.6,0)
  silkscreen extent -2.4,-1.05 2.37,1.05, body extent -1.6,-0.8 1.6,0.8, height 1
"cap 10*20" [mm]
  round 2 hole 1: 1(-2.5,0) 2(2.5,0)
  silkscreen extent -6.47,-5 5,4.99, body extent -5.23,-5.02 4.93,5.13, height 20.33
"CAP 1206_3216 - 1.8MM" [mm] "Chip Capacitor, 2-Leads, Body 3.25x1.60mm, IPC Medium Density"
  rect 1.3x1.8 smd: 1(-1.45,0) 2(1.45,0)
  silkscreen extent -2.37,-1.12 2.37,1.12, body extent -1.6,-0.8 1.6,0.8, height 1.8
"CAP ALSMD POLY 4.3MM H5.5MM" [mm] "Aluminum Polymer Capacitor, Body 4.30x4.30x5.50mm, IPC Low Density"
  rect 2.5x1.6 smd: 1(-1.75,0) 2(1.75,0)
  silkscreen extent -2.17,-2.21 2.3,2.2, body extent -2.3,-2.2 2.3,2.2, height 5.5
connectorout [mm]
  rrect50% 8x6 hole 4 slot 6 at 0 deg: 1(0,0)
DIOM7959X262N [mm]
  rrect25% 2.18x3.12 smd: 1(-3.485,0) 2(3.485,0)
  silkscreen extent -5.6,-2.95 3.43,2.95, body extent -3.96,-2.96 3.97,2.94, height 2.71
DPAK_TO263 [mm] "D2-PAK, 3-Pads, Body 7.93x8.70mm (max), IPC Medium Density"
  rect 3.81x2.32 smd: 1(-6.2,2.54) 2(-6.2,-2.54)
  rect 9.65x11 smd: 3(5,0)
  silkscreen extent -6.32,-5.35 -1.62,5.35, body extent -7.51,-4.98 8.16,5.02, height 4.81
R-0805R [mm] "resistor 0805 reflow soldering"
  rect 0.85x1.4 smd: 1(-0.875,0) 2(0.875,0)
  silkscreen extent -1.5,-0.9 1.5,0.9, body extent -1,-0.63 1,0.63, height 0.5
R-0805W [mm] "resistor 0805 wave soldering"
  rect 1x1.3 smd: 1(-1.15,0) 2(1.15,0)
  silkscreen extent -1.95,-0.9 1.95,0.9, body extent -1,-0.63 1,0.63, height 0.5
R-1206 [mm]
  rect 1.2x1.8 smd: 1(-1.5,0) 2(1.5,0)
  silkscreen extent -2.32,-1.1 2.27,1.12, body extent -1.6,-0.77 1.6,0.83, height 0.56
R-1206W [mm] "resistor 1206 wave soldering"
  rect 1x1.7 smd: 1(-1.75,0) 2(1.75,0)
  silkscreen extent -2.52,-1.1 2.52,1.12, body extent -1.55,-0.77 1.55,0.78, height 0.55
R-2512W [mm] "resistor 2512 wave soldering"
  rect 2x3.2 smd: 1(-3.25,0) 2(3.25,0)
  silkscreen extent -4.5,-2 4.5,2, body extent -3.15,-1.55 3.15,1.55, height 0.55
RESC3015X65N [mm]
  rect 0.89x1.68 smd: 1(-1.495,0) 2(1.495,0)
  silkscreen extent -0.73,-0.83 0.73,0.83, body extent -1.59,-0.82 1.46,0.73, height 0.65
SAMTEC_SSQ-110-X-X-D [mm]
  rect 1.53x1.53 hole 1.02: 01(11.43,-1.27)
  round 1.53 hole 1.02: 02(11.43,1.27) 03(8.89,-1.27) 04(8.89,1.27) 05(6.35,-1.27) 06(6.35,1.27) 07(3.81,-1.27) 08(3.81,1.27) 09(1.27,-1.27) 10(1.27,1.27) 11(-1.27,-1.27) 12(-1.27,1.27) 13(-3.81,-1.27) 14(-3.81,1.27) 15(-6.35,-1.27) 16(-6.35,1.27) 17(-8.89,-1.27) 18(-8.89,1.27) 19(-11.43,-1.27) 20(-11.43,1.27)
  silkscreen extent -12.96,-2.47 13.81,2.47, body extent -12.95,-2.48 12.95,2.48, height 8.51
SOD-123 [mm] "SOD, 2-Leads, Body 1.55x3.70mm, IPC Medium Density"
  rrect25% 1x0.8 smd: 1(-1.85,0) 2(1.85,0)
  silkscreen extent -2.54,-0.92 2.67,0.92, body extent -1.95,-0.9 1.95,0.9, height 1.18
SOIC8-IXD_614 [mm]
  rect 1.45x0.6 smd: 1(-2.725,1.905) 2(-2.725,0.635) 3(-2.725,-0.635) 4(-2.725,-1.905) 5(2.725,-1.905) 6(2.725,-0.635) 7(2.725,0.635) 8(2.725,1.905)
  rect 2.41x3.81 smd: 9(0,0)
  silkscreen extent -2.85,-2.5 1.6,2.88, body extent -3,-2.5 3,2.5, height 1.7
SOIC127P600X172-8N-1-V [mm] "SOIC,1.27mm pitch;8 pin,3.90mm W X 4.90mm L X 1.72mm H body"
  rect 1.47x0.65 smd paste+0 mask+0: 1(-2.765,1.905) 2(-2.765,0.635) 3(-2.765,-0.635) 4(-2.765,-1.905) 5(2.765,-1.905) 6(2.765,-0.635) 7(2.765,0.635) 8(2.765,1.905)
  silkscreen extent -3.32,-2.5 1.6,2.91, body extent -3,-2.45 3,2.45, height 1.73

## Part data
C1 C2 C3 C4 C6 C7 C10 C11 C12 C13 C16 C17 C18 C19 C20 C21 C24 C25 C27 C28 C29 C30 C33 C34 C35 C36 C37 C38 C42 C43 C44 C45 C46 C47 C50 C51 C75 C76 C77 C78 C79 C80 C81 C82 C83 C84 C85 C86: library part "CAP 1nF 1206"
C8 C9 C23: library part "CAP 4.7uF"
C14 C15 C72 C73 C74 C93 C94 C95 C96 C97 C98 C99 C100 C101 C102 C103 C104 C105 C106 C107 C108 C109 C110 C111 C112 C113 C114 C115 C116 C117 C118 C119 C120 C121 C122 C123 C124 C125 C126 C127 C128 C129 C130 C131 C132 C133 C134 C135 C136 C137 C138 C139 C140 C151 C152 C155 C156 C157 C158 C159 C162 C164 C165: library part "CAP 100nF 50V SMT 0805", "WCAP-CSGP General Purpose MLCC; SMT 0805; X7R; 100nF 10%; 50V; -55C to +125C; Tech. PN X7R0805104K050DFCT10000", Package="0805 Wurth Electronics", Availability=Warning, BuyPart=https://www.snapeda.com/parts/885012207098/Wurth%20Electronics%20Inc/view-part/4217223/?ref=eda, DigiKey-Purchase-URL=https://snapeda.com/shop?store=DigiKey&id=4217223, MF="Wurth Electronics Inc", Mouser-Purchase-URL=https://snapeda.com/shop?store=Mouser&id=4217223, MP=885012207098, Price=None, SnapEDA_Link=https://www.snapeda.com/parts/885012207098/Wurth%20Electronics%20Inc/view-part/4217223/?ref=snap
C26 C88 C153 C154 C160 C163: library part "CAP 10uF 0805 Ceramic", "0805 10 uF 10 V Â±10% Tolerance X7R Multilayer Ceramic Capacitor", Package="2012 Murata", Availability=Warning, Check_prices=https://www.snapeda.com/parts/GCJ21BR71A106KE01L/Murata%20Electronics%20North%20America/view-part/1756458/?ref=eda, MF=Murata, MP=GCJ21BR71A106KE01L, Price=None, Purchase-URL=https://pricing.snapeda.com/search/part/GCJ21BR71A106KE01L/?ref=eda, SnapEDA_Link=https://www.snapeda.com/parts/GCJ21BR71A106KE01L/Murata%20Electronics%20North%20America/view-part/1756458/?ref=snap
C31 C32 C40 C41 C48 C49 C52 C53 C54 C55 C56 C57 C58 C59 C60 C61 C62 C63 C64 C65 C66 C67 C68 C69: library part "capacitor 10*20", "PKL5-063V472MM450 Aluminum Electrolytic Capacitors - Snap In 63volts 4700uF 20%", Capacitance=4.7mF, Case/Package=Radial, Manufacturer=Nichicon, Manufacturer Part Number=LKS1J472MESZ, Max Operating Temperature=85°C, Min Operating Temperature=-40°C, Package Quantity=250, Ripple Current=3A, Supplier Part Number 1=647-LKS1J472MESZ, Tolerance=20%, Voltage Rating=63V, ComponentLink2Description=https://www.ozdisan.com/pasif-komponentler/kondansatorler/aluminyum-kondansatorler/PKL5-063V472MM450, ComponentLink2URL=https://www.ozdisan.com/pasif-komponentler/kondansatorler/aluminyum-kondansatorler/PKL5-063V472MM450, Diameter=22mm, Height - Seated (Max)=1.772inch, Lead Pitch=0.394inch, Length=45mm, Life (Hours)=1000Hour, Mount="Through Hole", Packaging=Bulk, RoHS=Yes, Supplier 1=Mouser, Termination="Snap in", Voltage Rating (DC)=63V
C70 C71 C141 C142: library part C-1206
C89 C90 C161: library part "CAP 100PF 0805"
D1 D2 D3 D4 D5 D6 D7 D8 D9 D10 D11 D12 D13 D14 D15 D16 D17 D18 D19 D20 D21 D22 D23 D24 D25 D26 D27 D28 D29 D30 D31 D32 D33 D34 D35 D36 D37 D38 D39 D40 D41 D42: library part 1N4148, "DIODE GEN PURP 100V 150MA SOD123", +Sicaklik=+150, -Sicaklik=-65, Cins=Diyot, Deger=1N4148, Kılıf=SOD123, Lehim Yöntemi=SMD, MSL="1 (Unlimited)", Uretici Kodu=1N4148W-TP
D49 D51 D52 D53 D54 D55: "21.7V Clamp 461A (8/20µs) Ipp Tvs Diode Surface Mount SMC", Package="DO-214 Diodes Inc.", Availability=Unavailable, MF="Diodes Inc.", MP=SMBJ36CA-13-F, Price=None, SnapEDA_Link=https://www.snapeda.com/parts/SMBJ36CA-13-F/Diodes%20Inc./view-part/828964/?ref=snap
J2: "SSQ - Samtec 2.54mm Square Tail Dual Row Socket Strip 8.5mm Profile - Fast Stock", Package=None, Availability=Bad, Check_prices=https://www.snapeda.com/parts/SSQ-110-23-G-D/Samtec/view-part/3247245/?ref=eda, MF=Samtec, MP=SSQ-110-23-G-D, Price=None, Purchase-URL=https://pricing.snapeda.com/search/part/SSQ-110-23-G-D/?ref=eda, SnapEDA_Link=https://www.snapeda.com/parts/SSQ-110-23-G-D/Samtec/view-part/3247245/?ref=snap
R1 R2 R4 R6 R8 R10 R12 R15 R16 R17 R18 R19 R20 R21 R32 R33 R35 R37 R39 R41 R43 R46 R47 R48 R49 R50 R51 R52 R63 R64 R66 R68 R70 R72 R74 R77 R78 R79 R80 R81 R82 R83: library part "RES 22Ω 1206", "CRG1206 1% 22R", Package=None, Availability=Unavailable, MP=1623463-1, Price=None
R3 R5 R7 R9 R11 R13 R14 R23 R24 R25 R26 R27 R28 R29 R34 R36 R38 R40 R42 R44 R45 R54 R55 R56 R57 R58 R59 R60 R65 R67 R69 R71 R73 R75 R76 R85 R86 R87 R88 R89 R90 R91: library part "10K 0805", "10 kOhms ±1% 0.125W, 1/8W Chip Resistor 0805 (2012 Metric) Moisture Resistant Thick Film", +Sicaklik=+155, -Sicaklik=-55, Cins=Direnc, Deger=10K, Kılıf=0805, Lehim Yöntemi=SMD, MSL="1 (Unlimited)", Uretici Kodu=RC0805FR-0710KL
R22 R53 R84: library part "RES 12K 1206", "Res Thick Film 1206 12K Ohm 1% 0.25W(1/4W) Â±100ppm/Â°C Pad SMD T/R", Package=1206, Availability=Warning, Check_prices=https://www.snapeda.com/parts/1623417-1/TE%20Connectivity/view-part/2210700/?ref=eda, EU_RoHS_Compliance="Compliant with Exemptions", MF="TE Connectivity", MP=1623417-1, Price=None, SnapEDA_Link=https://www.snapeda.com/parts/1623417-1/TE%20Connectivity/view-part/2210700/?ref=snap
R30 R31 R61 R62 R92 R93 R114 R115 R116 R117 R118 R119 R120 R121 R122 R123 R124 R125: library part "0207 melf", ComponentLink1Description=https://www.ozdisan.com/pasif-komponentler/direncler/smt-smd-direncler/M271UFG100KT20, ComponentLink1URL=https://www.ozdisan.com/pasif-komponentler/direncler/smt-smd-direncler/M271UFG100KT20
R94 R95 R126 R127 R128 R129: library part R-1206_GS, "1206S4F1002T5E", ComponentLink1Description=link, ComponentLink1URL=https://www.ozdisan.com/pasif-komponentler/direncler/smt-smd-direncler/1206S4F1002T5E
R96 R97 R110 R111 R112 R113 R143 R144 R145 R146 R149 R150 R151 R152 R154: library part "RES 47KΩ 1206", "47 kOhms ±1% 0.25W, 1/4W Chip Resistor 1206 (3216 Metric) Thick Film", Package=None, Availability=Unavailable, MP=CRCW120647K0FKEAC, Price=None
R133 R134 R135: library part "5Ω 1206"
R147 R148 R153: library part "RES 100KΩ 0805"
R155 R156 R157 R158 R159 R160 R161 R162 R163 R164 R165 R166 R167 R168 R169 R170 R171 R172 R173 R174 R175 R176 R177 R178 R179 R180 R181 R182 R183 R184 R185 R186 R187 R188 R189 R190 R191 R192 R193 R194 R195 R196: library part "RES 11Ω 1206", "CRG1206 1% 11R", Package=None, Availability=Unavailable, MP=1623463-1, Price=None
T1 T2 T3 T4 T5 T6 T7 T8 T9 T10 T11 T12 T13 T14 T15 T16 T17 T18 T19 T20 T21: library part "Terminal Connector", ComponentLink1Description=https://www.ozdisan.com/konnektor-baglanti-elemanlari/terminal-konnektorler/vida-tipi-konnektorler/K36-00AH, ComponentLink1URL=https://www.ozdisan.com/konnektor-baglanti-elemanlari/terminal-konnektorler/vida-tipi-konnektorler/K36-00AH
U1 U2 U5 U6 U7 U9: library part IXD_614
U3 U4 U8: "650 V half bridge gate driver with integrated bootstrap diode", Manufacturer="Infineon Technologies", Manufacturer Order Number=2ED21091S06F, PackageReference=PG-DSO-8-53
U10 U11: "Undefined or Miscellaneous", Manufacturer_Name="Allegro Microsystems", Arrow Part Number=ACS758ECB-200B-PFF-T, Arrow Price/Stock=https://www.arrow.com/en/products/acs758ecb-200b-pff-t/allegro-microsystems, Datasheet Link=http://www.farnell.com/datasheets/926109.pdf, Manufacturer_Part_Number=ACS758ECB-200B-PFF-T

## Free pads (board coordinates)
  round 1.524 hole 2 slot 6 at 90 deg: 1(131.372,218.493) 1(131.373,228.546) 1(131.628,143.292) 1(131.63,133.252)
  round 4 hole 4: 2(64.75,258.75) 2(69.25,28) 2(139.393,93.612) 2(182.546,224.518) 2(183.383,138.043) 2(221.946,247.764)

## Via types
v1: diameter 1.27, hole 0.711, Top Layer to Bottom Layer, 682 vias
v2: diameter 1, hole 0.5, Top Layer to Bottom Layer, 506 vias
v3: diameter 1/1/1/1 (per signal layer), hole 0.5, Top Layer to Bottom Layer, 140 vias
v4: diameter 0.7/0.7/0.7/0.7 (per signal layer), hole 0.35, Top Layer to Bottom Layer, 114 vias
v5: diameter 0.6, hole 0.3, Top Layer to Bottom Layer, 54 vias
v6: diameter 0.7, hole 0.35, Top Layer to Bottom Layer, 21 vias
v7: diameter 0.8, hole 0.4, Top Layer to Bottom Layer, 1 vias
v8: diameter 1/0.7/0.7/0.7 (per signal layer), hole 0.5, Top Layer to Bottom Layer, 1 vias

## Nets (pads, with @x,y where several pads share a name; then routed paths per layer and width w, separated by ;. In a path a pad name is that pad's centre, name@x,y a point inside that pad or via, vN(x,y) a via of type N, cw(c..) or ccw(c..) an arc to the next point about the centre after c; other vN are vias at no path point)
5V: C141.1 C142.1 J2.13 J2.14 U10.1 U11.1 | length 169.9
  mid2 w0.8: J2.13@63.75,109.84 J2.14@66.29,109.84 73.59,109.84 89.75,126 89.75,136.75 ; U10.1@110,221.59 99.09,221.59 89.75,212.25 89.75,136.75 ; U11.1@110.212,136.302 90.198,136.302 89.75,136.75
  Bottom Layer w0.8: C141.1@107.75,220.15 107.824,220.224 109.224,220.224 109.866,220.866 109.866,221.456 U10.1@110,221.59 ; C142.1@108,134.65 108.2,134.85 108.76,134.85 U11.1@110.25,136.34
15V: C134.2 C135.2 C136.1 C137.1 C139.2 C140.1 C151.2 C152.2 C155.2 C156.2 C157.1 C158.1 C162.2 C164.2 C165.1 J2.11 J2.12 U3.1 U4.1 U5.1 U5.8 U6.1 U6.8 U8.1 U9.1 U9.8
  other v1: 77.515,28.019 79.25,28.019 76.7,45.206 76.654,47.31 77.515,103.687 79.25,103.687 76.609,131.492 77.83,131.492
  other v5: 72,103.25 72.899,103.245 77.75,189.75 80,189.75 81.25,189.75 76,220.5 77,220.5 76.5,221.5 77.5,221.5 76,222.5 77,222.5
+3V3: 